# KiCad board flex_left.kicad_pcb
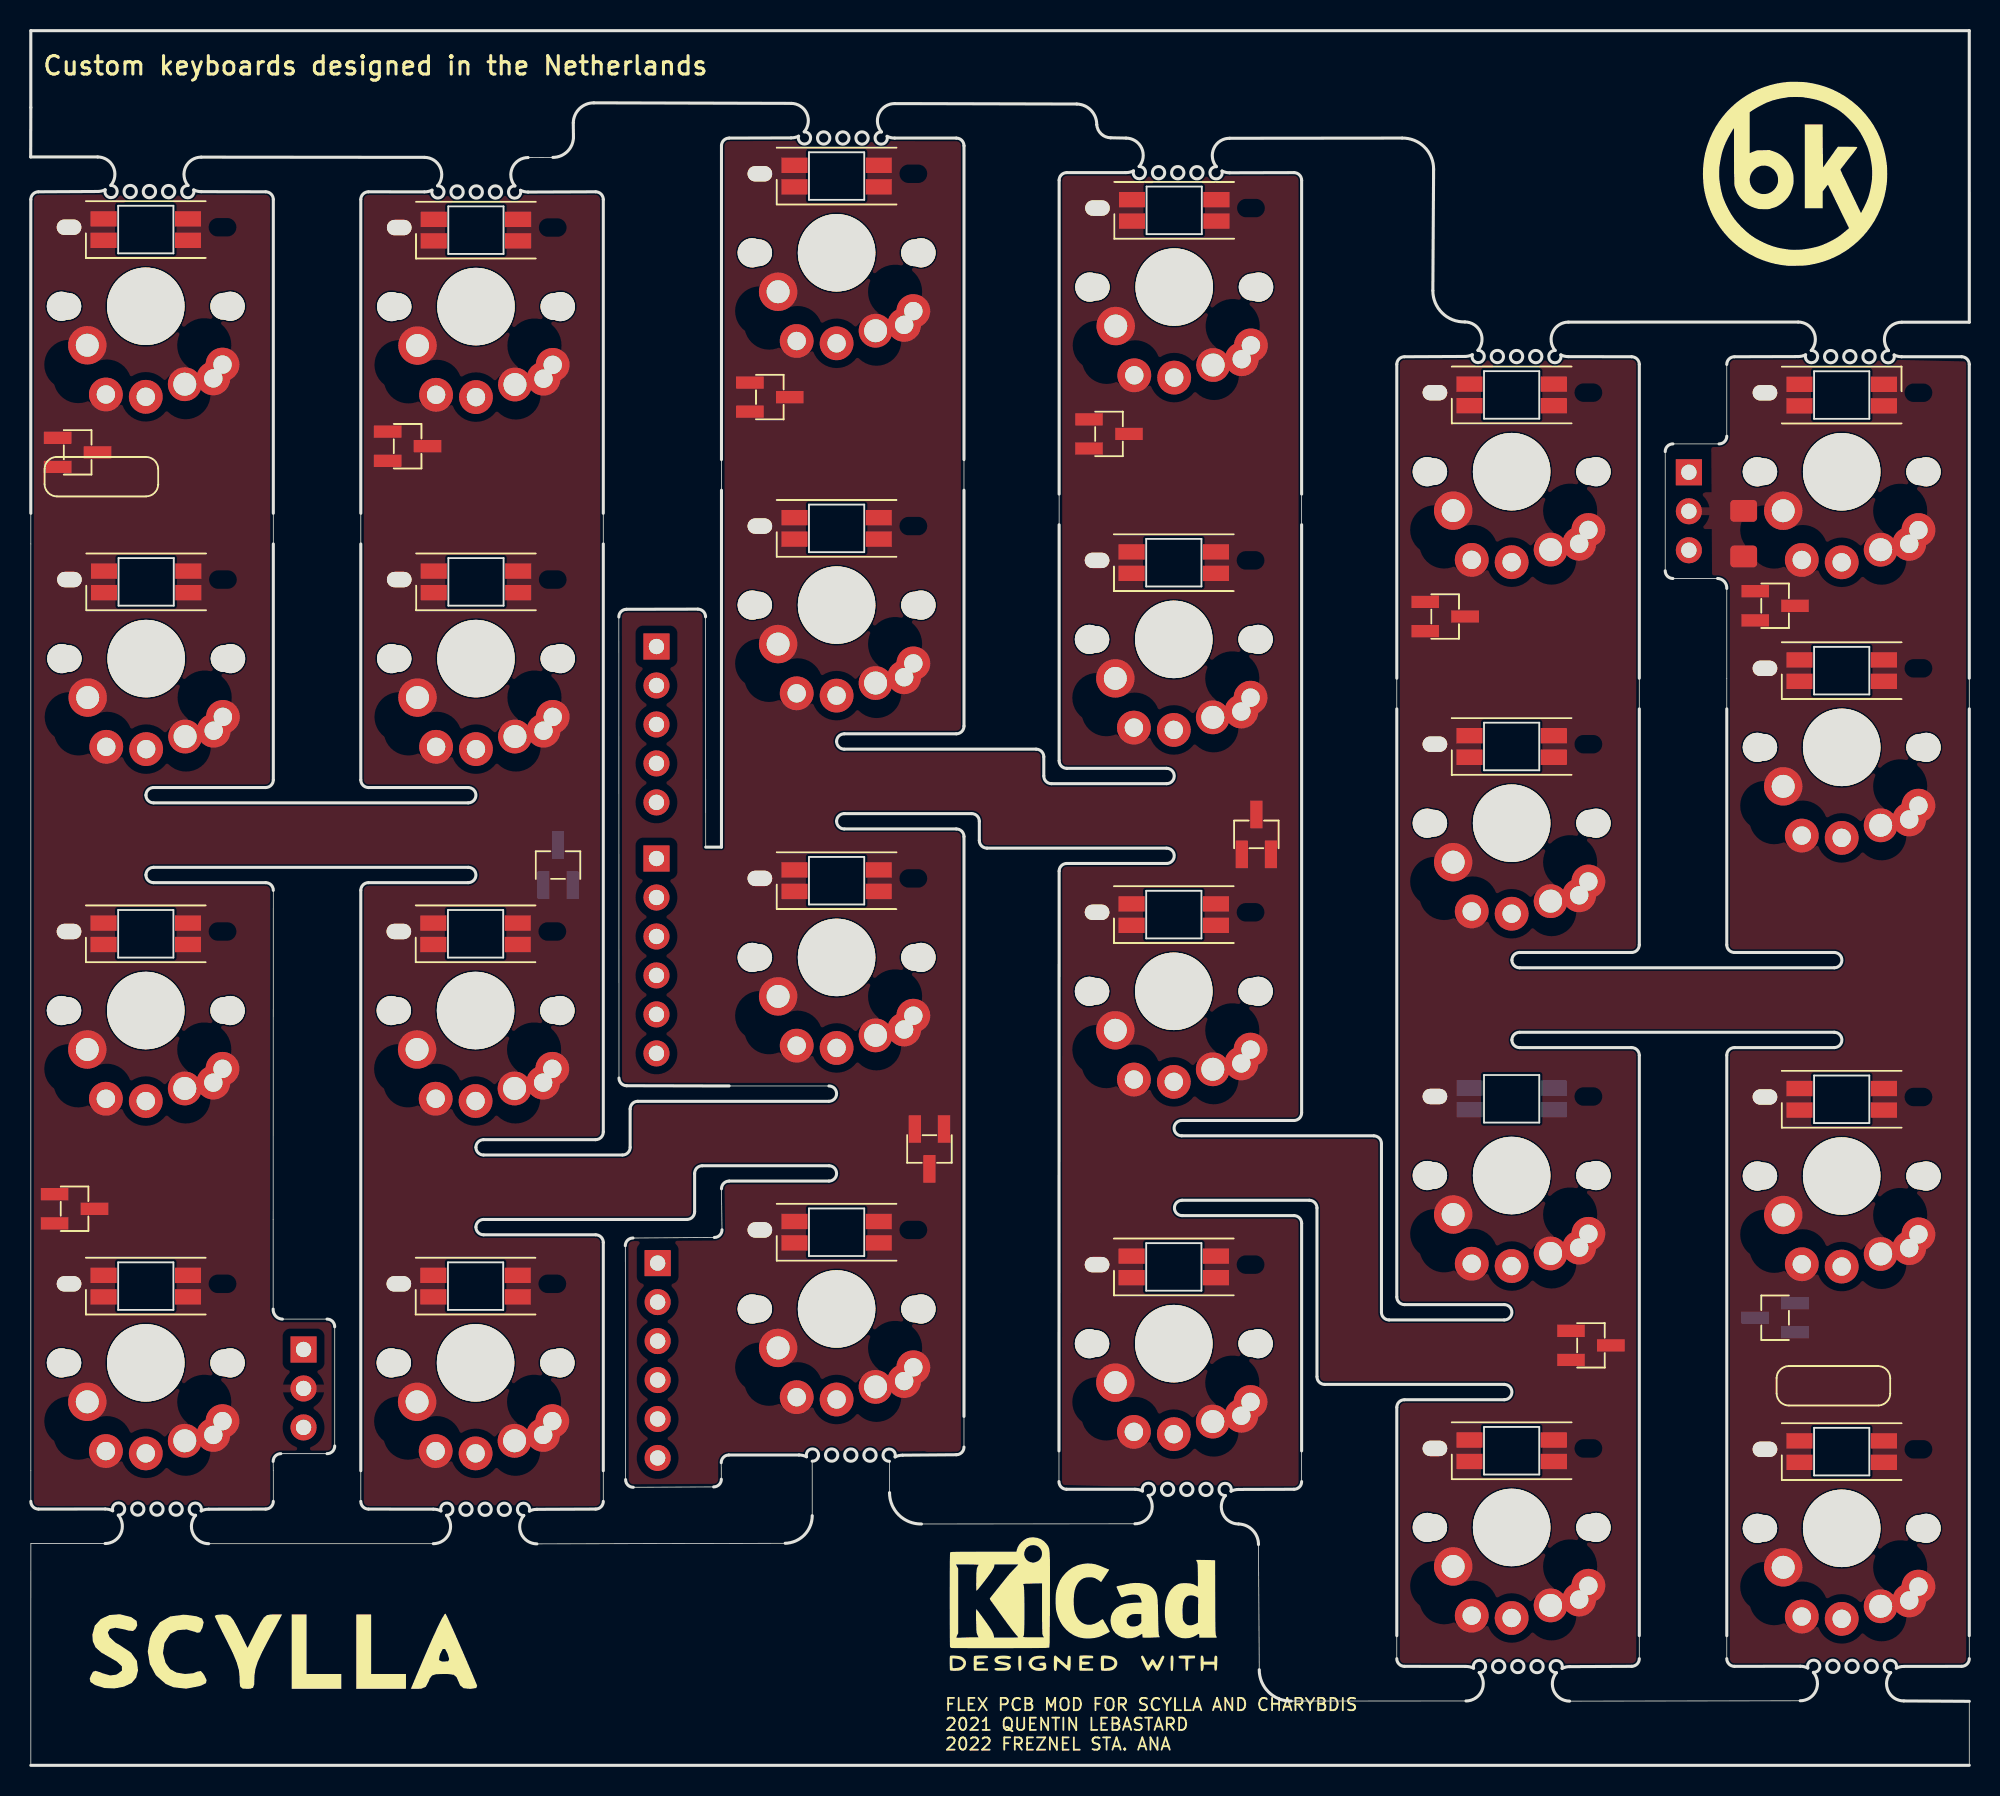
[diagram p0: board, top side]
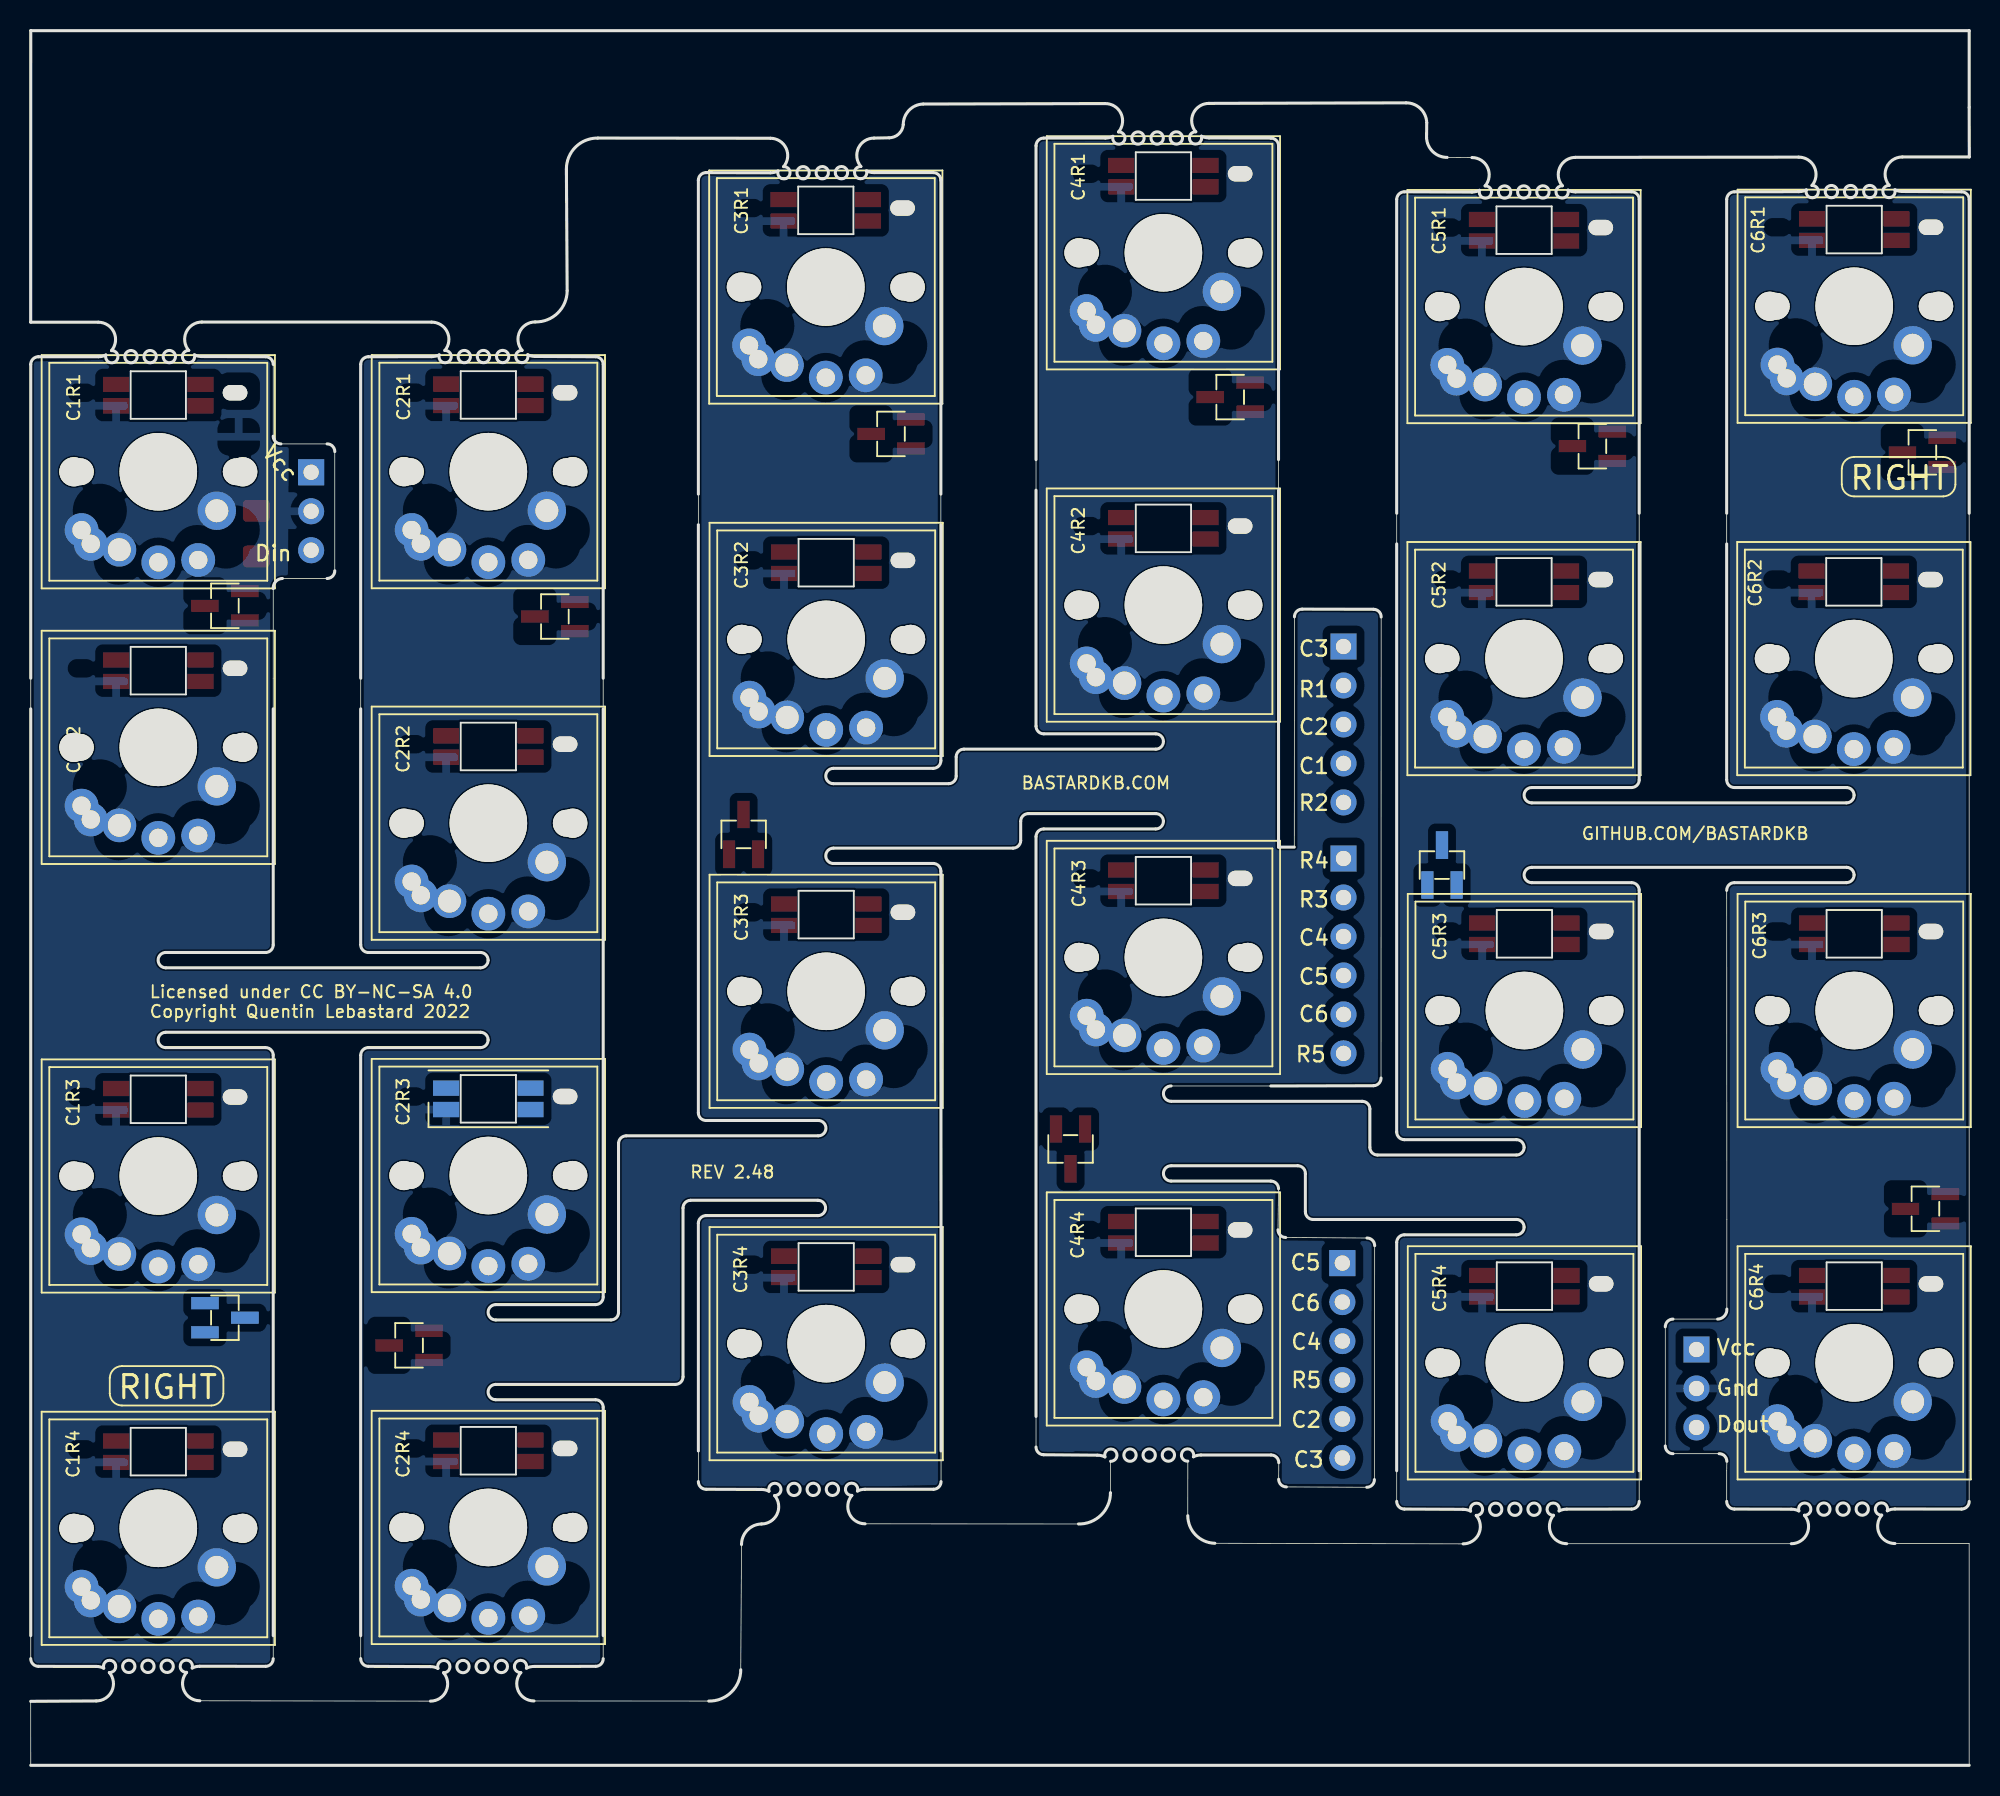
[diagram p1: board, bottom side, seen from below]

Outline 126.31 x 113.05 mm; copper layers: Top, In1.Cu, In2.Cu, Bottom. Coordinates in mm from the lower left corner of the outline.
Outline path: circle c6.48,102.57 r0.4 ; circle c6.98,16.7 r0.4 ; circle c7.51,95.05 r2.2 ; circle c7.51,72.1 r2.2 ; circle c7.51,49.15 r2.2 ; circle c7.51,26.2 r2.2 ; circle c7.73,102.56 r0.4 ; circle c8.23,16.7 r0.4 ; circle c8.98,102.56 r0.4 ; circle c9.48,16.7 r0.4 ; circle c27.78,102.54 r0.4 ; circle c28.36,16.69 r0.4 ; circle c29.01,95.05 r2.2 ; circle c29.01,72.1 r2.2 ; circle c29.01,49.15 r2.2 ; circle c29.01,26.2 r2.2 ; circle c29.03,102.54 r0.4 ; circle c29.61,16.69 r0.4 ; circle c30.28,102.54 r0.4 ; circle c30.86,16.69 r0.4 ; circle c51.67,106.06 r0.4 ; circle c52.19,20.22 r0.4 ; circle c52.51,98.55 r2.2 ; circle c52.51,75.6 r2.2 ; circle c52.51,52.65 r2.2 ; circle c52.51,29.7 r2.2 ; circle c52.92,106.06 r0.4 ; circle c53.44,20.22 r0.4 ; circle c54.17,106.05 r0.4 ; circle c54.69,20.22 r0.4 ; circle c73.48,103.8 r0.4 ; circle c74.08,17.99 r0.4 ; circle c74.51,96.3 r2.2 ; circle c74.51,73.35 r2.2 ; circle c74.51,50.4 r2.2 ; circle c74.51,27.45 r2.2 ; circle c74.73,103.79 r0.4 ; circle c75.33,17.98 r0.4 ; circle c75.98,103.79 r0.4 ; circle c76.58,17.98 r0.4 ; circle c95.56,91.81 r0.4 ; circle c95.65,6.44 r0.4 ; circle c96.5,38.4 r2.2 ; circle c96.51,84.3 r2.2 ; circle c96.51,61.35 r2.2 ; circle c96.51,15.45 r2.2 ; circle c96.81,91.81 r0.4 ; circle c96.9,6.44 r0.4 ; circle c98.06,91.81 r0.4 ; circle c98.15,6.44 r0.4 ; circle c117.28,91.81 r0.4 ; circle c117.42,6.45 r0.4 ; circle c118,66.34 r2.2 ; circle c118.01,84.3 r2.2 ; circle c118.01,15.45 r2.2 ; circle c118.01,38.39 r2.2 ; circle c118.53,91.81 r0.4 ; circle c118.67,6.45 r0.4 ; circle c119.78,91.8 r0.4 ; circle c119.92,6.45 r0.4 ; 0,104.82 4.36,104.82 arc(5.38,104.17) 5.22,102.97 arc(5.48,102.25) 4.85,102.68 arc(4.61,102.6) 4.36,102.57 0.51,102.55 arc(0.15,102.4) 0.01,102.05 0.01,17.2 arc(0.15,16.85) 0.51,16.7 4.85,16.7 arc(5.1,16.68) 5.34,16.59 arc(5.97,17.02) 5.71,16.3 arc(5.87,15.1) 4.85,14.45 0.01,14.45 0.01,0 126.31,0 126.31,4.17 122.04,4.19 arc(121.02,4.85) 121.18,6.05 arc(120.92,6.76) 121.55,6.33 arc(121.79,6.42) 122.04,6.44 125.81,6.45 arc(126.16,6.6) 126.31,6.95 126.31,91.3 arc(126.16,91.65) 125.81,91.8 121.9,91.8 arc(121.65,91.83) 121.41,91.91 arc(120.78,91.49) 121.04,92.2 arc(120.89,93.4) 121.91,94.05 126.31,94.05 126.31,113.05 0.01,113.05 0.01,108.05 0,104.82 ; 7.51,63.22 arc(7.65,63.58) 8.01,63.72 15.31,63.72 arc(15.66,63.87) 15.81,64.22 15.81,81.6 15.81,102.05 arc(15.66,102.4) 15.31,102.55 11.11,102.56 arc(10.86,102.59) 10.62,102.67 arc(9.99,102.24) 10.25,102.96 arc(10.09,104.16) 11.11,104.81 25.66,104.79 arc(26.68,104.14) 26.52,102.94 arc(26.78,102.23) 26.15,102.66 arc(25.91,102.57) 25.66,102.54 22.01,102.55 arc(21.65,102.4) 21.51,102.05 21.51,64.22 arc(21.65,63.87) 22.01,63.72 28.51,63.72 arc(29.01,63.22) 28.51,62.72 8.01,62.72 arc(7.65,62.87) 7.51,63.22 ; 7.51,58.02 arc(7.65,58.38) 8.01,58.52 28.51,58.52 arc(29.01,58.02) 28.51,57.52 22.01,57.52 arc(21.65,57.38) 21.51,57.02 21.51,17.2 arc(21.65,16.85) 22.01,16.7 26.24,16.69 arc(26.49,16.67) 26.73,16.58 arc(27.36,17.01) 27.09,16.29 arc(27.25,15.09) 26.23,14.44 11.6,14.44 arc(10.58,15.1) 10.74,16.29 arc(10.48,17.01) 11.11,16.58 arc(11.35,16.66) 11.6,16.69 15.31,16.7 arc(15.66,16.85) 15.81,17.2 15.81,19.2 15.8,19.81 arc(15.94,20.16) 16.3,20.31 19.31,20.31 arc(19.66,20.46) 19.81,20.81 19.81,28.58 arc(19.66,28.93) 19.31,29.08 16.4,29.08 arc(15.96,29.28) 15.8,29.73 15.8,35.58 15.81,57.02 arc(15.66,57.38) 15.31,57.52 8.01,57.52 arc(7.65,57.67) 7.51,58.02 ; 29.01,40.27 arc(29.15,40.63) 29.51,40.77 36.81,40.77 arc(37.16,40.92) 37.31,41.27 37.31,81.6 37.31,102.05 arc(37.16,102.4) 36.81,102.55 32.4,102.53 arc(32.15,102.56) 31.91,102.65 arc(31.28,102.22) 31.55,102.93 arc(31.39,104.13) 32.41,104.78 34.02,104.79 arc(34.96,105.17) 35.36,106.09 35.35,107.05 arc(35.76,107.97) 36.69,108.35 49.54,108.31 arc(50.56,107.66) 50.4,106.46 arc(50.66,105.74) 50.03,106.17 arc(49.79,106.09) 49.54,106.06 45.51,106.05 arc(45.15,105.9) 45.01,105.55 45.01,59.84 43.98,59.84 43.97,74.85 arc(43.82,75.2) 43.47,75.35 38.82,75.34 arc(38.47,75.19) 38.32,74.84 38.33,44.79 arc(38.48,44.44) 38.83,44.29 45.51,44.27 52.01,44.27 arc(52.51,43.77) 52.01,43.27 39.56,43.27 arc(39.2,43.13) 39.06,42.77 39.06,40.27 arc(38.91,39.92) 38.56,39.78 29.51,39.77 arc(29.15,39.92) 29.01,40.27 ; 29.01,35.07 arc(29.15,35.43) 29.51,35.57 42.76,35.57 arc(43.11,35.72) 43.26,36.07 43.26,38.57 arc(43.4,38.93) 43.76,39.07 52.01,39.07 arc(52.51,38.57) 52.01,38.07 45.51,38.07 arc(45.15,37.93) 45.01,37.57 45.04,34.9 arc(44.9,34.55) 44.54,34.4 39.24,34.36 arc(38.89,34.22) 38.74,33.86 38.76,18.62 arc(38.91,18.27) 39.26,18.12 44.5,18.14 arc(44.85,18.29) 45,18.64 44.99,19.72 arc(45.14,20.08) 45.49,20.22 50.06,20.22 arc(50.31,20.2) 50.55,20.11 arc(51.18,20.54) 50.92,19.82 50.92,16.27 arc(50.4,15.01) 49.16,14.47 32.98,14.43 arc(31.96,15.08) 32.12,16.28 arc(31.86,17) 32.49,16.57 arc(32.73,16.65) 32.98,16.68 36.81,16.7 arc(37.16,16.85) 37.31,17.2 37.31,34.07 arc(37.16,34.43) 36.81,34.57 29.51,34.57 arc(29.15,34.72) 29.01,35.07 ; 52.51,66.72 arc(52.65,67.08) 53.01,67.22 60.31,67.22 arc(60.66,67.37) 60.81,67.72 60.81,105.55 arc(60.66,105.9) 60.31,106.05 56.29,106.05 arc(56.04,106.08) 55.8,106.16 arc(55.17,105.74) 55.43,106.45 arc(55.27,107.65) 56.29,108.3 68.16,108.27 arc(69.08,107.86) 69.46,106.93 arc(69.74,106.33) 70.36,106.07 71.36,106.05 arc(72.38,105.4) 72.22,104.2 arc(72.48,103.48) 71.85,103.91 arc(71.61,103.83) 71.36,103.8 67.51,103.8 arc(67.15,103.65) 67.01,103.3 67.01,65.47 arc(67.15,65.12) 67.51,64.97 74.01,64.97 arc(74.51,64.47) 74.01,63.97 66.51,63.97 arc(66.15,64.12) 66.01,64.47 66.01,65.72 arc(65.86,66.08) 65.51,66.22 53.01,66.22 arc(52.65,66.37) 52.51,66.72 ; 52.51,61.52 arc(52.65,61.88) 53.01,62.02 61.31,62.02 arc(61.66,61.88) 61.81,61.52 61.81,60.27 arc(61.95,59.92) 62.31,59.77 74.01,59.77 arc(74.51,59.27) 74.01,58.77 67.51,58.77 arc(67.15,58.63) 67.01,58.27 67,20.49 67,18.49 arc(67.14,18.14) 67.5,17.99 71.95,17.99 arc(72.2,17.96) 72.44,17.88 arc(73.07,18.3) 72.81,17.59 arc(72.97,16.39) 71.95,15.74 58.04,15.73 arc(56.57,16.31) 55.96,17.77 55.95,19.81 arc(55.69,20.53) 56.32,20.1 arc(56.56,20.18) 56.81,20.21 60.31,20.24 arc(60.66,20.39) 60.81,20.74 60.81,60.52 arc(60.66,60.88) 60.31,61.02 53.01,61.02 arc(52.65,61.17) 52.51,61.52 ; 75,42.02 82.31,42.02 arc(82.66,42.17) 82.81,42.52 82.81,82.85 82.81,103.3 arc(82.66,103.65) 82.31,103.8 78.11,103.79 arc(77.86,103.82) 77.62,103.9 arc(76.99,103.47) 77.25,104.19 arc(77.09,105.39) 78.11,106.04 89.36,106.05 arc(90.81,105.47) 91.41,104.03 91.36,96.11 arc(91.97,94.65) 93.44,94.07 arc(94.46,93.42) 94.3,92.22 arc(94.56,91.5) 93.93,91.93 arc(93.69,91.85) 93.44,91.82 89.51,91.8 arc(89.15,91.65) 89.01,91.3 89.01,68.85 89.01,30.52 arc(89.15,30.17) 89.51,30.02 96.01,30.03 arc(96.51,29.52) 96.01,29.03 88.51,29.03 arc(88.15,29.17) 88.01,29.52 88.01,40.52 arc(87.86,40.88) 87.51,41.02 75,41.02 arc(74.5,41.52) 75,42.02 ; 75.02,35.82 arc(74.52,36.32) 75.02,36.83 83.31,36.82 arc(83.66,36.68) 83.81,36.32 83.81,25.33 arc(83.95,24.97) 84.31,24.83 96.01,24.83 arc(96.51,24.32) 96.01,23.83 89.51,23.83 arc(89.15,23.68) 89.01,23.33 89.01,6.95 arc(89.15,6.6) 89.51,6.45 93.52,6.44 arc(93.77,6.42) 94.01,6.33 arc(94.64,6.76) 94.38,6.04 arc(94.54,4.84) 93.52,4.19 82.13,4.19 arc(80.66,4.77) 80.05,6.23 80,14.39 arc(79.62,15.32) 78.7,15.73 arc(77.68,16.38) 77.84,17.58 arc(77.58,18.3) 78.21,17.87 arc(78.45,17.95) 78.7,17.98 82.31,17.99 arc(82.66,18.14) 82.81,18.49 82.81,35.32 arc(82.66,35.68) 82.31,35.82 75.02,35.82 ; 96.51,52.47 arc(96.65,52.83) 97.01,52.97 104.31,52.97 arc(104.66,53.12) 104.81,53.47 104.81,70.85 104.81,91.3 arc(104.66,91.65) 104.31,91.8 100.18,91.81 arc(99.93,91.84) 99.69,91.92 arc(99.06,91.49) 99.33,92.21 arc(99.17,93.41) 100.19,94.06 115.16,94.06 arc(116.18,93.41) 116.01,92.21 arc(116.27,91.49) 115.64,91.92 arc(115.41,91.84) 115.15,91.81 111.01,91.8 arc(110.65,91.65) 110.51,91.3 110.51,86.62 arc(110.36,86.27) 110.01,86.12 107,86.12 arc(106.64,85.97) 106.5,85.62 106.5,77.85 arc(106.64,77.5) 107,77.35 109.91,77.35 arc(110.35,77.15) 110.51,76.7 110.51,68.85 110.51,53.47 arc(110.65,53.12) 111.01,52.97 117.51,52.97 arc(118.01,52.47) 117.51,51.97 97.01,51.97 arc(96.65,52.12) 96.51,52.47 ; 96.51,47.27 arc(96.65,47.63) 97.01,47.77 117.51,47.77 arc(118.01,47.27) 117.51,46.78 111.01,46.77 arc(110.65,46.63) 110.51,46.27 110.51,6.95 arc(110.65,6.6) 111.01,6.45 115.3,6.46 arc(115.55,6.43) 115.79,6.34 arc(116.42,6.77) 116.15,6.06 arc(116.31,4.86) 115.29,4.21 100.27,4.18 arc(99.25,4.84) 99.41,6.03 arc(99.15,6.75) 99.78,6.32 arc(100.02,6.4) 100.27,6.43 104.31,6.45 arc(104.66,6.6) 104.81,6.95 104.81,46.27 arc(104.66,46.63) 104.31,46.77 97.01,46.77 arc(96.65,46.92) 96.51,47.27
Stack: Top 0.035mm / dielectric 0.1mm FR4 er 4.5 / In1.Cu 0.035mm / dielectric 0.24mm FR4 er 4.5 / In2.Cu 0.035mm / dielectric 0.1mm FR4 er 4.5 / Bottom 0.035mm

## Placement (name value [footprint] x y rotation side)
C1  C  [C_1206_3216Metric_Pad1.42x1.75mm_HandSolder]  111.61 80.27 270 top
D1  D_BAV70  [TSOT-23_HandSoldering]  113.66 29.17 180 bottom
D2  SK6812MINI  [YS-SK6812MINI-E-bkb]  118 89.3 180 top
D3  SK6812MINI  [YS-SK6812MINI-E-bkb]  118 71.34 0 top
D4  SK6812MINI  [YS-SK6812MINI-E-bkb]  118 43.41 0 top
D5  SK6812MINI  [YS-SK6812MINI-E-bkb]  96.49 20.5 0 top
D7  SK6812MINI  [YS-SK6812MINI-E-bkb]  96.49 43.44 180 bottom
D9  D_BAV70  [TSOT-23_HandSoldering]  70.26 86.77 0 top
D10  D_BAV70  [TSOT-23_HandSoldering]  79.86 60.67 90 top
D11  D_BAV70  [TSOT-23_HandSoldering]  48.16 89.17 0 top
D12  D_BAV70  [TSOT-23_HandSoldering]  58.56 40.17 270 top
D13  D_BAV70  [TSOT-23_HandSoldering]  113.66 75.57 0 top
D14  D_BAV70  [TSOT-23_HandSoldering]  24.56 85.97 0 top
D15  D_BAV70  [TSOT-23_HandSoldering]  34.36 58.67 90 bottom
D16  D_BAV70  [TSOT-23_HandSoldering]  3.06 85.57 0 top
D17  D_BAV70  [TSOT-23_HandSoldering]  2.86 36.27 0 top
D18  SK6812MINI  [YS-SK6812MINI-E-bkb]  118 20.44 0 top
D19  SK6812MINI  [YS-SK6812MINI-E-bkb]  74.5 101.34 0 top
D21  SK6812MINI  [YS-SK6812MINI-E-bkb]  74.48 78.38 0 top
D23  SK6812MINI  [YS-SK6812MINI-E-bkb]  74.48 55.44 0 top
D25  SK6812MINI  [YS-SK6812MINI-E-bkb]  74.48 32.48 0 top
D31  D_BAV70  [TSOT-23_HandSoldering]  92.16 74.87 0 top
D32  D_BAV70  [TSOT-23_HandSoldering]  101.66 27.37 0 top
D33  SK6812MINI  [YS-SK6812MINI-E-bkb]  96.49 66.4 0 top
D35  SK6812MINI  [YS-SK6812MINI-E-bkb]  96.49 89.31 0 top
D37  SK6812MINI  [YS-SK6812MINI-E-bkb]  52.51 34.74 0 top
D39  SK6812MINI  [YS-SK6812MINI-E-bkb]  52.51 57.65 0 top
D41  SK6812MINI  [YS-SK6812MINI-E-bkb]  52.51 80.61 0 top
D43  SK6812MINI  [YS-SK6812MINI-E-bkb]  52.51 103.58 0 top
D45  SK6812MINI  [YS-SK6812MINI-E-bkb]  29.01 100.05 0 top
D47  SK6812MINI  [YS-SK6812MINI-E-bkb]  29.01 77.13 0 top
D49  SK6812MINI  [YS-SK6812MINI-E-bkb]  28.99 54.19 0 top
D51  SK6812MINI  [YS-SK6812MINI-E-bkb]  28.99 31.23 0 top
D53  SK6812MINI  [YS-SK6812MINI-E-bkb]  7.5 100.09 0 top
D55  SK6812MINI  [YS-SK6812MINI-E-bkb]  7.52 77.13 0 top
D57  SK6812MINI  [YS-SK6812MINI-E-bkb]  7.5 54.19 0 top
D59  SK6812MINI  [YS-SK6812MINI-E-bkb]  7.5 31.23 0 top
G***  -  [LOGO]  114.96 103.72 0 top
G***#2  -  [LOGO]  16.36 7.57 0 top
G***#3  -  [LOGO]  68.46 10.47 0 top
J1  Conn_01x06_Female  [PinHeader_1x06_P2.54mm_Vertical]  40.85 32.73 180 bottom
J2  Conn_01x05_Female  [PinHeader_1x05_P2.54mm_Vertical]  40.77 72.92 180 bottom
J3  Conn_01x03_Female  [PinHeader_1x03_P2.54mm_Vertical]  108.04 84.27 180 bottom
J4  Conn_01x06_Female  [PinHeader_1x06_P2.54mm_Vertical]  40.77 59.1 180 bottom
J5  Conn_01x03_Female  [PinHeader_1x03_P2.54mm_Vertical]  17.78 27.1 180 bottom
SW1  SW_Push  [SW_MX_KS_Choc-mod]  118 84.3 0 top
SW2  SW_Push  [SW_MX_KS_Choc-mod]  118 66.34 0 top
SW3  SW_Push  [SW_MX_KS_Choc-mod]  118 38.41 0 top
SW4  SW_Push  [SW_MX_KS_Choc-mod]  118 15.44 0 top
SW5  SW_Push  [SW_MX_KS_Choc-mod]  96.49 84.31 0 top
SW6  SW_Push  [SW_MX_KS_Choc-mod]  96.49 61.4 0 top
SW7  SW_Push  [SW_MX_KS_Choc-mod]  96.49 38.44 0 top
SW8  SW_Push  [SW_MX_KS_Choc-mod]  96.49 15.5 0 top
SW9  SW_Push  [SW_MX_KS_Choc-mod]  74.5 96.34 0 top
SW10  SW_Push  [SW_MX_KS_Choc-mod]  74.48 73.38 0 top
SW11  SW_Push  [SW_MX_KS_Choc-mod]  74.48 50.44 0 top
SW12  SW_Push  [SW_MX_KS_Choc-mod]  74.48 27.48 0 top
SW14  SW_Push  [SW_MX_KS_Choc-mod]  52.51 98.58 0 top
SW15  SW_Push  [SW_MX_KS_Choc-mod]  52.51 75.61 0 top
SW16  SW_Push  [SW_MX_KS_Choc-mod]  52.51 52.65 0 top
SW17  SW_Push  [SW_MX_KS_Choc-mod]  52.51 29.74 0 top
SW19  SW_Push  [SW_MX_KS_Choc-mod]  29.01 95.07 0 top
SW20  SW_Push  [SW_MX_KS_Choc-mod]  29.01 72.13 0 top
SW21  SW_Push  [SW_MX_KS_Choc-mod]  28.99 49.19 0 top
SW22  SW_Push  [SW_MX_KS_Choc-mod]  28.99 26.23 0 top
SW23  SW_Push  [SW_MX_KS_Choc-mod]  7.5 95.09 0 top
SW24  SW_Push  [SW_MX_KS_Choc-mod]  7.52 72.13 0 top
SW25  SW_Push  [SW_MX_KS_Choc-mod]  7.5 49.19 0 top
SW26  SW_Push  [SW_MX_KS_Choc-mod]  7.5 26.23 0 top

## Library data of the parts
C1 = -: Description: Unpolarized capacitor
D1 D9-D17 D31 D32 = -: Description: Dual switching diode, common cathode on pin 3; LCSC: C68978
D2-D5 D7 D18 D19 D21 D23 D25 D33 D35 D37 D39 D41 D43 D45 D47 D49 D51 D55 D57 D59 = -: Description: RGB LED with integrated controller
D53 = -: Description: RGB LED with integrated controller; Field4: G; Field5: I; Field6: O; Field7: V
J1 J4 = -: Description: Generic connector, single row, 01x06, script generated (kicad-library-utils/schlib/autogen/connector/)
J2 = -: Description: Generic connector, single row, 01x05, script generated (kicad-library-utils/schlib/autogen/connector/)
J3 J5 = -: Description: Generic connector, single row, 01x03, script generated (kicad-library-utils/schlib/autogen/connector/)
SW1-SW12 SW14-SW17 SW19-SW26 = -: Description: Push button switch, generic, two pins

## Footprints (pads in the part's own frame, mm; a bottom-side part is the same pattern mirrored in y, then rotated)
C_1206_3216Metric_Pad1.42x1.75mm_HandSolder
  rrect 1.425x1.75 smd: 1(-1.488,0) 2(1.488,0)
PinHeader_1x03_P2.54mm_Vertical
  rect 1.7x1.7 hole 1: 1(0,0)
  oval 1.7x1.7 hole 1: 2(0,-2.54) 3(0,-5.08)
PinHeader_1x05_P2.54mm_Vertical
  rect 1.7x1.7 hole 1: 1(0,0)
  oval 1.7x1.7 hole 1: 2(0,-2.54) 3(0,-5.08) 4(0,-7.62) 5(0,-10.16)
PinHeader_1x06_P2.54mm_Vertical
  rect 1.7x1.7 hole 1: 1(0,0)
  oval 1.7x1.7 hole 1: 2(0,-2.54) 3(0,-5.08) 4(0,-7.62) 5(0,-10.16) 6(0,-12.7)
SW_MX_KS_Choc-mod
  round 1.9 hole 1.9 unplated: (-5.5,0) (5.5,0)
  round 1.75 hole 1.75 unplated: (-5.08,0) (5.08,0)
  oval 1.6x1 hole 1.6x1 unplated: (-5,5.15)
  round 1.55 smd: (-3.81,-2.54) (-2.6,-5.75) (2.54,-5.08) (4.4,-4.7)
  round 5.05 hole 5.05 unplated: (0,0)
  round 1.25 smd: (0,-5.9) (5,-3.8)
  round 2.5 hole 1.5: 1(-3.81,-2.54)
  round 2.2 hole 1.2: 1(-2.6,-5.75) 1(0,-5.9) 2(4.4,-4.7) 2(5,-3.8)
  round 2.2 hole 1.5: 2(2.54,-5.08)
TSOT-23_HandSoldering
  rect 1.8x0.8 smd: 1(-1.3,-0.95) 2(-1.3,0.95) 3(1.3,0)
YS-SK6812MINI-E-bkb
  rect 1.7x1 smd: 1(2.75,-0.7) 2(-2.75,-0.7) 3(-2.75,0.7) 4(2.75,0.7)

## Nets
Gnd: C1.2 D2.2 D3.2 D4.2 D5.2 D7.2 D18.2 D19.2 D21.2 D23.2 D25.2 D33.2 D35.2 D37.2 D39.2 D41.2 D43.2 D45.2 D47.2 D49.2 D51.2 D53.2 D55.2 D57.2 D59.2 J3.2 J5.2
Vcc: C1.1 D2.4 D3.4 D4.4 D5.4 D7.4 D18.4 D19.4 D21.4 D23.4 D25.4 D33.4 D35.4 D37.4 D39.4 D41.4 D43.4 D45.4 D47.4 D49.4 D51.4 D53.4 D55.4 D57.4 D59.4 J3.1 J5.1
col1: D1.3 D13.3 J2.4
col2: D31.3 D32.3 J1.5 J2.3
col3: D9.3 D10.3 J1.6 J2.1
col4: D11.3 D12.3 J1.3 J4.3
col5: D14.3 D15.3 J1.1 J4.4
col6: D16.3 D17.3 J1.2 J4.5
Din: D2.3 J3.3
Dout: D59.1 J5.3
row1: J2.2 SW1.1 SW5.1 SW9.1 SW14.1 SW19.1 SW23.1
row2: J2.5 SW2.1 SW6.1 SW10.1 SW15.1 SW20.1 SW24.1
row3: J4.2 SW3.1 SW7.1 SW11.1 SW16.1 SW21.1 SW25.1
row4: J4.1 SW4.1 SW8.1 SW12.1 SW17.1 SW22.1 SW26.1
row5: J1.4 J4.6
Net-(D1-A): D1.1 SW4.2
Net-(D1-A)_1: D1.2 SW3.2
Net-(D2-DOUT): D2.1 D3.3
Net-(D3-DOUT): D3.1 D4.3
Net-(D5-DOUT): D5.1 D7.3
Net-(D9-A): D9.2 SW9.2
Net-(D9-A)_1: D9.1 SW10.2
Net-(D10-A): D10.2 SW11.2
Net-(D10-A)_1: D10.1 SW12.2
Net-(D11-A): D11.2 SW14.2
Net-(D11-A)_1: D11.1 SW15.2
Net-(D12-A): D12.2 SW16.2
Net-(D12-A)_1: D12.1 SW17.2
Net-(D13-A): D13.2 SW1.2
Net-(D13-A)_1: D13.1 SW2.2
Net-(D14-A): D14.1 SW20.2
Net-(D14-A)_1: D14.2 SW19.2
Net-(D15-A): D15.2 SW21.2
Net-(D15-A)_1: D15.1 SW22.2
Net-(D16-A): D16.1 SW24.2
Net-(D16-A)_1: D16.2 SW23.2
Net-(D17-A): D17.2 SW25.2
Net-(D17-A)_1: D17.1 SW26.2
Net-(D18-DIN): D4.1 D18.3
Net-(D18-DOUT): D5.3 D18.1
Net-(D19-DIN): D19.3 D35.1
Net-(D19-DOUT): D19.1 D21.3
Net-(D21-DOUT): D21.1 D23.3
Net-(D23-DOUT): D23.1 D25.3
Net-(D25-DOUT): D25.1 D37.3
Net-(D31-A): D31.1 SW6.2
Net-(D31-A)_1: D31.2 SW5.2
Net-(D32-A): D32.1 SW8.2
Net-(D32-A)_1: D32.2 SW7.2
Net-(D33-DIN): D7.1 D33.3
Net-(D33-DOUT): D33.1 D35.3
Net-(D37-DOUT): D37.1 D39.3
Net-(D39-DOUT): D39.1 D41.3
Net-(D41-DOUT): D41.1 D43.3
Net-(D43-DOUT): D43.1 D45.3
Net-(D45-DOUT): D45.1 D47.3
Net-(D47-DOUT): D47.1 D49.3
Net-(D49-DOUT): D49.1 D51.3
Net-(D51-DOUT): D51.1 D53.3
Net-(D53-DOUT): D53.1 D55.3
Net-(D55-DOUT): D55.1 D57.3
Net-(D57-DOUT): D57.1 D59.3

## Copper pours and planes (outline as drawn; the poured copper is in the pictures)
Gnd on Top, Bottom, In2.Cu: -0.34,16.87 21.36,16.77 37.86,16.87 38.66,17.97 44.86,17.97 46.26,20.28 58.26,20.47 63.66,18.37 82.56,17.87 83.46,5.67 126.36,5.27 127.16,91.47 109.46,91.87 109.51,82.97 106.52,82.97 106.53,80.57 109.53,80.57 109.56,76.17 105.06,76.17 104.66,91.67 83.56,91.57 83.56,103.77 60.96,103.77 60.96,106.17 44.86,106.27 44.86,103.77 37.56,103.77 37.36,102.47 -0.94,102.47
Vcc on In1.Cu: -0.34,16.87 21.36,16.77 37.86,16.87 38.66,17.97 44.86,17.97 46.26,20.28 58.26,20.47 63.66,18.37 82.56,17.87 83.46,5.67 126.36,5.27 127.16,91.47 109.46,91.87 109.56,76.17 105.06,76.17 104.66,91.67 83.56,91.57 83.56,103.77 60.96,103.77 60.96,106.17 44.86,106.27 44.86,103.77 37.56,103.77 37.36,102.47 -0.94,102.47

## Text on the board
B.Silkscreen: C6R3 | C6R1 | C6R4 | C6R2 | C5R3 | C5R4 | C5R1 | C5R2 | C4R3 | C4R1 | C4R2 | C4R4 | C3R1 | C3R2 | C3R3 | C3R4 | C2R1 | C2R2 | C2R3 | C2R4 | C1R2 | C1R1 | C1R3 | C1R4 | Licensed under CC BY-NC-SA 4.0 / Copyright Quentin Lebastard 2022 | GITHUB.COM/BASTARDKB | BASTARDKB.COM | REV 2.48 | Dout | Gnd | Vcc | C3 | R1 | C2 | C1 | R2 | R4 | R3 | C4 | C5 | C6 | R5 | Din | RIGHT
F.Fab: Conn_01x02_Female
F.Silkscreen: FLEX PCB MOD FOR SCYLLA AND CHARYBDIS / 2021 QUENTIN LEBASTARD / 2022 FREZNEL STA. ANA | Custom keyboards designed in the Netherlands
